# Altium PCB ES_Class6C_2L.PcbDoc (part 2 of 2)
Units mm, origin at the board's own origin, x right, y up, seen from the top; angles counter-clockwise.
Board outline 40.52 x 188.15 mm, 4 copper layers (Top Layer, Layer 1, Layer 2, Bottom Layer), stack 1.536 mm thick; 132 components, 126 nets, 469 pads, 280 vias.
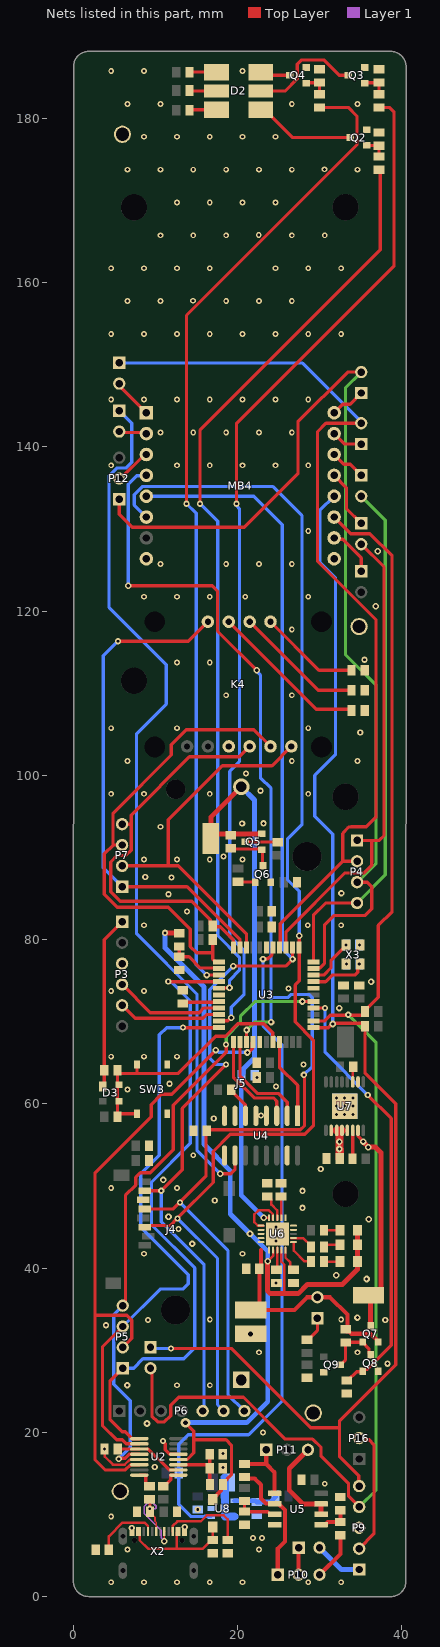
[diagram p4: the nets of this part, all layers, seen from the top]

## Via types
v1: diameter 0.7, hole 0.35, Top Layer to Bottom Layer, 130 vias
v2: diameter 0.75, hole 0.35, Top Layer to Bottom Layer, 99 vias
v3: diameter 0.8, hole 0.4, Top Layer to Bottom Layer, 49 vias
v4: diameter 1.2, hole 0.6, Top Layer to Bottom Layer, 2 vias

## Nets (pads, with @x,y where several pads share a name; then routed paths per layer and width w, separated by ;. In a path a pad name is that pad's centre, name@x,y a point inside that pad or via, vN(x,y) a via of type N, cw(c..) or ccw(c..) an arc to the next point about the centre after c; other vN are vias at no path point) (continued)
D_P: C4.2 R7.1 X2.A6 X2.B6 | length 13.9
  Top Layer w0.2: C4.2@9.334,10.325 9.334,10.175 9.734,9.775 9.83,9.775 9.948,9.658 9.948,9.189 10.115,9.021 10.115,7.955 X2.A6@10.09,7.93 ; v3(11.083,6.737) 11.087,6.741 11.087,7.926 X2.B6@11.09,7.93
  Top Layer w0.381: R7.1@9.282,11.849 9.334,11.797 9.334,10.715 9.326,10.708 C4.2@9.326,10.423 ; v2(9.295,10.708) 9.295,10.364 C4.2@9.334,10.325
  Layer 1 w0.2: v2(9.295,10.708) 9.307,10.72 9.97,10.72 10.089,10.839 10.089,11.005 9.711,11.383 9.015,11.383 8.62,10.987 8.62,10.129 10.703,8.046 10.703,7.154 11.083,6.774 v3(11.083,6.737)
DemulCA: U3.19 U4.1 | length 9.9
  Top Layer w0.4: U3.19@25.095,67.541 25.095,64.45 27.305,62.24 U4.1@27.305,58.55
DemulCB: U3.13 U4.2 | length 12.9
  Top Layer w0.4: U3.13@20.295,67.541 20.295,63.347 22.372,61.27 24.95,61.27 26.035,60.185 U4.2@26.035,58.55
DemulCC: U3.12 U4.3 | length 12.5
  Top Layer w0.4: U3.12@19.495,67.541 19.495,63.246 22.022,60.719 24.371,60.719 24.765,60.325 U4.3@24.765,58.55
DR_N: R8.2 U2.9 | length 2.7
  Top Layer w0.381: R8.2@10.933,13.449 11.083,13.449 11.86,14.226 11.86,14.787 11.869,14.795 U2.9@12.789,14.795
DR_P: R7.2 U2.8 | length 2.4
  Top Layer w0.381: U2.8@8.039,14.795 8.814,14.795 8.822,14.787 8.822,13.759 9.132,13.449 R7.2@9.282,13.449
EN_5V: R49.1 U3.38 U8.1 | length 83.7
  Top Layer w0.4: v3(23.089,77.631) 23.119,77.661 23.673,77.661 24.195,78.183 24.195,78.917 U3.38@24.295,79.017
  Bottom Layer w0.4: U8.1@16.8,9.775 15.971,9.775 15.945,9.749 14.355,9.749 12.839,11.265 12.839,18.561 13.975,19.698 21.339,19.698 25.4,23.759 25.4,67.225 23.089,69.536 v3(23.089,77.631)
GND: C1.2 C2.2 C3.1 C4.1 C5.1 C6.1 C7.2 C8.2 C9.2 C10.2 C11.2 C12.2 C13.1 C14.2 C15.2 C16.2 C17.2 C18.2 C19.2 C20.2 C21.2 C22.2 C23.2 C24.2 GND5.1 GND6.1 GND7.1 GND8.1 J4.6 J5.1 K4.3 MB4.8 MB4.9 P3.3 P9.3 Q2.2 Q3.2 Q4.2 Q6.2 Q8.2 Q9.2 R5.2 R6.2 R10.1 R15.1 R17.1 R19.1 R24.1 R26.1 R27.1 R28.1 R29.1 R32.1 R36.1 R37.1 R38.1 R39.1 R42.1 R47.1 R48.1 SW3.3 SW3.4 U2.5 U2.13 U3.6 U3.16 U3.29 U3.39 U4.4 U4.5 U4.8 U5.4 U6.9 U6.10 U6.11 U6.21 U7.10 U7.11 U8.2 X2.A1B12 X2.B1A12 X3.2 X3.4 | length 10.8
  Top Layer w0.3: U2.5@8.039,16.7 8.02,16.681 6.876,16.681 6.263,16.068 4.807,16.068 3.829,17.046 C2.2@3.829,17.913 ; U7.11@34.006,62.669 34.006,64.448 C22.2@34.074,64.516 ; C2.2@3.829,17.913 v2(3.772,17.97) C2.2@3.829,17.913
  Top Layer w0.4: v2(10.933,18.972) 10.933,18.877 11.19,18.62 11.19,17.865 11.72,17.335 U2.13@12.789,17.335
  other v1: 4.605,1.746 8.605,1.746 12.605,1.746 16.605,1.746 20.605,1.746 28.605,1.746 32.605,1.746 6.605,5.746 22.605,5.746 4.605,9.746 30.605,13.746 12.605,25.746 16.616,25.746 22.605,29.746 34.605,29.746 16.616,33.746 32.605,33.746 8.605,41.746 20.605,41.746 4.605,49.746 12.605,49.746 14.605,53.746 6.605,61.746 4.605,65.746 8.605,65.746 12.605,65.746 4.605,73.746 8.605,73.746 8.605,81.746 28.532,81.746 32.605,81.746 8.605,89.746 12.605,89.746 16.605,89.746 20.605,89.746 10.605,93.746 4.605,97.746 8.605,97.746 16.605,97.746 28.605,97.746 6.605,101.746 26.605,101.746 34.605,101.746 4.605,105.746 12.605,105.746 28.605,105.746 18.605,109.746 26.605,109.746 12.605,113.746 16.605,113.746 26.605,117.746 8.605,121.746 12.605,121.746 16.605,121.746 20.927,121.746 28.605,121.746 10.605,125.746 18.605,125.746 22.605,125.746 26.605,125.746 28.605,129.746 4.605,137.746 12.605,137.746 16.605,137.746 20.605,137.746 24.605,137.746 28.605,137.746 10.605,141.746 14.605,141.746 18.605,141.746 22.605,141.746 26.605,141.746 4.605,145.746 8.605,145.746 12.605,145.746 16.605,145.746 20.605,145.746 24.605,145.746 28.605,145.746 4.605,153.746 8.605,153.746 12.605,153.746 16.605,153.746 20.605,153.746 24.605,153.746 28.605,153.746 32.605,153.746 6.605,157.746 10.605,157.746 18.605,157.746 22.605,157.746 26.605,157.746 14.571,157.78 4.605,161.746 8.605,161.746 12.605,161.746 16.605,161.746 24.605,161.746 28.605,161.746 32.605,161.746 10.605,165.746 14.605,165.746 18.605,165.746 26.605,165.746 30.605,165.746 22.571,165.78 12.605,169.746 16.605,169.746 20.605,169.746 24.605,169.746 6.605,173.746 10.605,173.746 14.605,173.746 18.605,173.746 22.605,173.746 26.605,173.746 34.605,173.746 30.571,173.78 8.605,177.746 12.605,177.746 16.605,177.746 20.605,177.746 24.605,177.746 6.605,181.746 10.605,181.746 26.605,181.746 34.605,181.746 4.605,185.746 8.605,185.746 20.605,185.746
  other v2: 21.893,7.125 22.972,7.125 7.114,8.349 13.566,8.487 15.15,10.6 18.199,15.721 9.904,15.788 18.199,17.436 23.075,19.975 6.568,25.746 38.25,28.365 3.983,33.046 9.071,33.67 37.976,33.675 24.674,38.2 14.475,42.975 24.674,43.325 24.674,44.175 12.805,44.751 24.674,45.013 27.889,47.343 17.21,48.252 27.897,49.413 30.124,52.063 17.095,58.2 22.85,58.575 32.031,58.719 33.031,58.719 34.031,58.719 32.031,59.719 33.031,59.719 34.031,59.719 32.031,60.719 33.031,60.719 34.031,60.719 24.674,62.096 11.701,62.442 22.339,63.217 28.002,64.801 26.177,74.04 13.833,83.439 11.594,85.528 32.627,85.638 11.945,87.548 8.748,87.625 18.301,90.098 20.557,94.141 23.151,94.157 22.783,98.121 21.036,100.237 34.925,105.225 35.445,114.075
  other v3: 8.964,21.08 34.586,33.978 35.7,38.677 31.996,39.118 35.955,45.945 11.582,46.246 10.95,50.742 32.375,71.665 36.248,74.879 33.261,77.025 34.842,79.333 36.836,120.592 37.052,127.285
INT_IMU: K4.7 P7.1 U3.43 | length 61.7
  Top Layer w0.4: v2(5.425,116.325) 14.008,116.325 K4.7@16.385,118.702 ; P7.1@5.937,86.435 13.839,86.435 20.295,79.979 U3.43@20.295,79.017 U3.43@20.195,79.117
  Bottom Layer w0.4: v2(5.425,116.325) 3.649,114.549 3.649,88.723 P7.1@5.937,86.435
LED_B: R14.2 U3.5 | length 112.5
  Top Layer w0.4: v2(15.425,133.075) 15.425,142.05 37.361,163.986 37.361,173.596 R14.2@37.211,173.746 ; U3.5@17.757,74.079 17.792,74.114 18.973,74.114 v3(19.008,74.15)
  Bottom Layer w0.4: v2(15.425,133.075) 17.575,130.925 17.575,80.498 20.226,77.847 20.226,76.281 19.015,75.069 19.015,74.156 v3(19.008,74.15)
LED_G: R16.2 U3.10 | length 123.9
  Top Layer w0.4: U3.10@17.757,70.079 17.807,70.129 18.823,70.129 19.171,70.478 v3(19.215,70.478) ; v2(19.875,133.075) 19.875,142.875 39.05,162.05 39.05,180.725 38.457,181.318 R16.2@37.211,181.318
  Bottom Layer w0.4: v3(19.215,70.478) 19.227,70.49 19.227,71.77 20.783,73.326 20.783,78.642 19.027,80.398 19.027,100.477 20.226,101.676 20.226,132.477 19.942,132.761 19.942,133.008 v2(19.875,133.075)
LED_R: R18.2 U3.3 | length 120.7
  Top Layer w0.4: v2(13.775,133.075) 13.775,155.993 34.536,176.754 34.536,180.263 33.481,181.318 R18.2@29.972,181.318 ; v3(16.229,75.679) U3.3@17.757,75.679
  Bottom Layer w0.4: v2(13.775,133.075) 14.956,131.894 14.956,103.617 14.958,103.615 14.958,103.064 14.956,103.062 14.956,76.952 v3(16.229,75.679)
MCLR: D3.1 P3.1 R21.1 | length 21
  Top Layer w0.4: D3.1@3.556,62.125 3.772,62.341 3.772,64.008 3.772,79.991 P3.1@5.937,82.156
MISO: J4.7 MB4.5 P6.5 U3.35 | length 144.8
  Top Layer w0.4: J4.7@8.709,49.401 8.721,49.413 10.688,49.413 v2(10.7,49.425) 13.245,51.97 13.245,59.446 v2(18.6,64.801) ; v3(19.475,76.775) 25.839,76.775 v3(26.695,77.631) U3.35@26.695,79.017
  Bottom Layer w0.4: MB4.5@8.89,133.985 21.99,133.985 25.443,130.532 25.443,116.803 25.432,116.793 25.432,78.895 v3(26.695,77.631) ; v2(10.7,49.425) 10.7,45.65 15.915,40.435 15.915,22.773 P6.5@15.748,22.606 ; v2(18.6,64.801) 18.599,64.802 17.348,64.802 16.593,65.557 16.593,73.893 v3(19.475,76.775)
MOSI: J4.3 MB4.6 P6.6 U3.34 | length 156
  Top Layer w0.4: J4.3@8.709,45.001 8.887,45.179 11.779,45.179 12.662,46.063 17.025,50.425 17.025,54.2 19.119,56.294 28.183,56.294 29.233,57.344 29.233,67.745 27.002,69.976 27.002,74.482 27.495,74.975 U3.34@27.495,79.017 27.497,79.019 27.497,80.472 v3(27.5,80.475)
  Bottom Layer w0.4: MB4.6@8.89,131.445 7.425,132.91 7.425,134.184 8.403,135.162 24.313,135.162 27.831,131.644 27.831,93.993 26.07,92.233 26.07,87.318 27.5,85.889 v3(27.5,80.475) ; v2(12.675,46.05) 17.55,41.175 17.55,23.39 18.288,22.652 P6.6@18.288,22.606
NetC2_1: C2.1 U2.3 U2.10 | length 7.5
  Top Layer w0.4: C2.1@5.405,17.97 U2.3@8.039,17.97 ; U2.3@8.964,17.97 9.108,17.97 11.648,15.43 U2.10@12.789,15.43
NetC3_2: C3.2 L2.2 X2.A4B9 X2.B4A9 | length 14.6
  Top Layer w0.3: X2.A4B9@7.94,7.93 8.09,7.78 8.09,6.859 9.107,5.842 12.604,5.842 ; X2.B4A9@12.74,7.93 12.604,7.794 12.604,5.842 ; L2.2@16.98,8.485 C3.2@16.98,6.896 16.83,6.896 15.776,5.842 12.731,5.842 12.604,5.842
NetC6_2: C6.2 R9.1 R10.2 U2.11 | length 7.9
  Top Layer w0.4: U2.11@12.789,16.066 16.299,16.066 16.599,15.765 R10.2@16.599,15.621 ; C6.2@16.599,17.485 C6.2@16.599,17.335 16.618,17.316 16.618,13.671 R9.1@16.637,13.652
NetC13_2: C13.2 U3.7 | length 4.5
  Top Layer w0.4: C13.2@13.335,72.225 13.489,72.379 17.657,72.379 U3.7@17.757,72.479
NetC24_1: C24.1 R50.2 U8.4 | length 5.4
  Bottom Layer w0.6: U8.4@19.6,11.675 22.186,11.675 C24.1@22.325,11.536 24.036,11.536 24.6,12.1 R50.2@24.6,12.25
NetD2_1: D2.1 R13.1 | length 3.3
  Top Layer w0.4: R13.1@14.135,185.624 D2.1@17.427,185.624
NetD2_2: D2.2 R12.1 | length 3.3
  Top Layer w0.4: R12.1@14.135,183.388 14.199,183.324 D2.2@17.427,183.324
NetD2_3: D2.3 R11.1 | length 3.3
  Top Layer w0.4: R11.1@14.135,180.975 14.184,181.024 D2.3@17.427,181.024
NetD2_4: D2.4 Q2.3 | length 12.3
  Top Layer w0.4: D2.4@22.827,181.024 23.327,181.024 26.693,177.658 Q2.3@33.735,177.658
NetD2_5: D2.5 Q3.3 | length 14
  Top Layer w0.4: D2.5@22.827,183.324 25.809,183.324 27.275,184.79 27.275,186.569 27.806,187.1 30.484,187.1 32.354,185.23 Q3.3@33.481,185.23
NetD2_6: D2.6 Q4.3 | length 3.7
  Top Layer w0.4: D2.6@22.827,185.624 23.221,185.23 Q4.3@26.369,185.23
NetD5_1: D5.1 R33.2 | length 2
  Top Layer w0.3: R33.2@30.518,44.61 D5.1@32.478,44.61
NetD6_1: D6.1 R34.2 | length 2.1
  Top Layer w0.3: R34.2@30.518,42.578 30.772,42.832 D6.1@32.478,42.832
NetD7_1: D7.1 R35.1 | length 2
  Top Layer w0.3: R35.1@30.518,40.8 D7.1@32.478,40.8
NetK4_8: K4.8 R29.2 | length 19.4
  Top Layer w0.4: K4.8@18.925,118.702 29.582,108.045 33.725,108.045 R29.2@33.875,107.895
NetK4_9: K4.9 R28.2 | length 15.9
  Top Layer w0.4: K4.9@21.465,118.702 29.82,110.347 R28.2@33.875,110.347
NetK4_10: K4.10 R27.2 | length 12.3
  Top Layer w0.4: K4.10@24.005,118.702 29.907,112.8 R27.2@33.875,112.8
NetL5_2: L5.2 U8.5 | length 5.7
  Bottom Layer w1: L5.2@18.426,14.5 18.432,13.894 18.475,9.95 ; 18.475,9.775 U8.5@19.6,9.775
NetMB4_1: MB4.1 W5.2 | length 4.9
  Top Layer w0.4: W5.2@5.588,147.701 5.588,147.447 MB4.1@8.89,144.145
NetMB4_2: MB4.2 W7.2 | length 3.4
  Top Layer w0.4: W7.2@5.588,141.859 5.715,141.732 8.763,141.732 MB4.2@8.89,141.605
NetMB4_3: MB4.3 P12.2 | length 4.5
  Top Layer w0.4: P12.2@5.588,136.144 5.779,136.144 8.7,139.065 MB4.3@8.89,139.065
NetMB4_10: MB4.10 W11.1 | length 5.9
  Top Layer w0.4: MB4.10@31.75,128.905 31.923,128.732 32.793,128.732 35.052,126.473 W11.1@35.052,124.841
NetMB4_13: MB4.13 W10.1 | length 7.2
  Top Layer w0.4: MB4.13@31.75,136.525 33.246,135.029 33.246,132.489 W10.1@35.052,130.683
NetMB4_14: MB4.14 W9.1 | length 4.4
  Top Layer w0.4: MB4.14@31.75,139.065 32.949,137.866 33.711,137.866 W9.1@35.052,136.525
NetMB4_15: MB4.15 W8.1 | length 3.8
  Top Layer w0.4: MB4.15@31.75,141.605 33.02,140.335 W8.1@35.052,140.335
NetMB4_16: MB4.16 W6.1 | length 4.3
  Top Layer w0.4: MB4.16@31.75,144.145 32.801,145.196 33.69,145.196 W6.1@35.052,146.558
NetMB5_1: 
NetMB5_2: 
NetMB5_3: 
NetMB5_10: 
NetMB5_13: 
NetMB5_14: 
NetMB5_15: 
NetMB5_16: 
NetMB6_1: 
NetMB6_2: 
NetMB6_3: 
NetMB6_10: 
NetMB6_13: 
NetMB6_14: 
NetMB6_15: 
NetMB6_16: 
NetP9_1: P9.1 W4.2 | length 5.9
  Bottom Layer w0.6: W4.2@29.972,5.969 32.639,3.302 P9.1@34.798,3.302
NetP9_2: P9.2 P16.2 | length 15.5
  Top Layer w0.4: P9.2@34.798,5.842 36.594,7.638 36.594,18.522 36.023,19.094 35.008,19.094 P16.2@34.798,19.304
NetP10_1: P10.1 R30.1 U5.2 | length 15.8
  Top Layer w0.5: R30.1@20.828,14.567 21.028,14.367 22.082,14.367 22.825,13.624 22.825,11.973 23.47,11.328 24.486,11.328 U5.2@24.511,11.303 25.011,11.303 25.787,10.527 25.787,6.737 24.892,5.842 P10.1@24.892,2.667
NetP10_3: P10.3 R25.2 | length 5.9
  Top Layer w0.5: P10.3@29.972,2.667 32.512,5.207 R25.2@32.512,7.48
NetP11_1: P11.1 R30.2 U5.1 | length 8.4
  Top Layer w0.5: R30.2@20.828,16.167 23.485,16.167 ; P11.1@23.485,17.875 23.485,16.167 ; U5.1@24.511,12.573 24.511,15.141 23.485,16.167
NetP11_3: P11.3 U5.6 U5.7 | length 11.7
  Top Layer w0.6: P11.3@28.565,17.875 26.289,15.599 26.289,12.96 27.946,11.303 U5.7@30.161,11.303 U5.6@30.161,10.033
NetP15_1: P15.1 R46.2 | length 3.2
  Top Layer w0.4: R46.2@28.448,31.28 28.598,31.28 29.718,32.4 P15.1@29.718,33.909
NetQ2_1: Q2.1 R14.1 R15.2 | length 2.8
  Top Layer w0.4: Q2.1@35.735,176.708 35.756,176.688 37.19,176.688 R15.2@37.211,176.667 R14.1@37.211,175.346
NetQ3_1: Q3.1 R16.1 R17.2 | length 3.2
  Top Layer w0.4: Q3.1@35.481,184.28 35.524,184.323 37.168,184.323 R17.2@37.211,184.366 R16.1@37.211,182.918
NetQ4_1: Q4.1 R18.1 R19.2 | length 3.1
  Top Layer w0.4: Q4.1@28.369,184.28 28.412,184.323 29.929,184.323 R19.2@29.972,184.366 R18.1@29.972,182.918
NetQ5_1: Q5.1 Q6.3 R40.1 | length 5.9
  Top Layer w0.4: R40.1@19.152,91.112 19.227,91.037 22.871,91.037 Q5.1@22.946,90.962 23.018,90.891 23.018,89.047 Q6.3@23.089,88.975
NetQ5_3: Q5.3 R41.2 | length 4
  Top Layer w0.4: Q5.3@20.946,91.912 20.973,91.886 24.866,91.886 R41.2@24.892,91.859
NetQ6_1: Q6.1 R43.2 | length 2.1
  Top Layer w0.4: R43.2@20.041,87.048 20.078,87.011 22.103,87.011 Q6.1@22.139,86.975
NetQ7_1: Q7.1 Q8.3 Q9.3 R45.1 | length 7.1
  Top Layer w0.4: Q9.3@32.48,28.255 32.53,28.255 33.147,28.872 R45.1@33.147,30.95 33.174,30.977 35.218,30.977 Q7.1@35.245,31.004 35.245,30.954 35.995,30.204 35.995,29.648 Q8.3@36.195,29.448
NetR5_1: R5.1 X2.A5 | length 7.9
  Top Layer w0.3: R5.1@4.318,5.715 4.318,7.346 5.997,9.025 8.646,9.025 9.09,8.581 X2.A5@9.09,7.93
NetR6_1: R6.1 X2.B5 | length 10.6
  Top Layer w0.3: X2.B5@12.09,7.93 12.09,8.581 12.672,9.163 15.513,9.163 16.256,9.906 18.288,9.906 18.796,9.398 R6.1@18.796,6.896
NetR22_1: R22.1 U4.6 | length 3.9
  Top Layer w0.4: R22.1@19.215,61.722 19.215,61.572 19.515,61.272 19.547,61.272 20.912,59.907 20.912,58.593 U4.6@20.955,58.55
NetR25_1: R25.1 R26.2 U5.5 | length 3.9
  Top Layer w0.5: U5.5@30.161,8.763 30.661,8.763 30.978,9.08 R25.1@32.512,9.08 R26.2@32.512,10.528
NetR31_1: R31.1 R32.2 U5.3 | length 5.1
  Top Layer w0.4: R31.1@20.828,11.646 R32.2@20.828,10.35 23.694,10.35 24.011,10.033 U5.3@24.511,10.033
NetR34_1: R34.1 U6.7 | length 2.9
  Top Layer w0.3: U6.7@26.53,43.665 U6.7@26.799,43.665 27.981,43.665 28.918,42.728 R34.1@28.918,42.578
NetR35_2: R35.2 U6.6 | length 3.6
  Top Layer w0.3: U6.6@26.834,43.134 26.834,42.133 28.144,40.823 28.894,40.823 R35.2@28.918,40.8
NetR36_2: R36.2 U6.5 | length 3.3
  Top Layer w0.3: U6.5@25.829,42.456 U6.5@25.829,42.195 25.829,41.26 26.416,40.673 R36.2@26.416,39.441
NetR37_2: R37.2 U6.12 | length 2.9
  Top Layer w0.3: R37.2@25.273,48.73 25.329,48.674 U6.12@25.329,46.135 U6.12@25.329,45.871
NetR38_2: R38.2 U6.13 | length 3.4
  Top Layer w0.3: R38.2@23.622,48.73 23.772,48.73 24.122,48.38 24.122,47.743 24.829,47.036 U6.13@24.829,46.135 U6.13@24.829,45.871
NetR39_2: R39.2 U6.3 | length 3
  Top Layer w0.3: R39.2@24.765,39.441 24.829,39.505 U6.3@24.829,42.195 U6.3@24.829,42.456
NetR44_2: R44.2 U7.6 | length 3.3
  Top Layer w0.4: R44.2@33.998,53.467 34.002,53.471 34.002,56.765 U7.6@34.006,56.769
NetU6_14: U6.14 U6.16 | length 5.5
  Top Layer w0.3: U6.16@23.117,45.165 U6.16@22.859,45.165 22.471,45.165 22.052,45.583 22.052,46.563 22.526,47.036 23.817,47.036 24.299,46.555 U6.14@24.299,45.871
OSC1: C14.1 U3.30 X3.3 | length 7
  Top Layer w0.4: U3.30@29.233,74.879 30.704,74.879 31.504,75.679 34.279,75.679 34.624,76.024 34.624,76.708 X3.3@34.949,77.033
  other v3: 34.8,77.025
OSC2: C15.1 U3.31 X3.1 | length 6
  Top Layer w0.4: U3.31@29.233,75.679 30.495,75.679 31.358,76.542 31.358,77.431 32.925,78.999 32.925,79.059 v3(33.199,79.333)
PGEC2: P3.5 U3.9 | length 12.7
  Top Layer w0.4: P3.5@5.937,71.996 7.508,70.425 15.775,70.425 16.229,70.879 U3.9@17.757,70.879
PGED2: P3.4 U3.8 | length 13.5
  Top Layer w0.4: P3.4@5.937,74.536 9.376,71.097 15.322,71.097 15.904,71.679 U3.8@17.757,71.679
PressRawData: P10.2 W4.1 | length 3.3
  Top Layer w0.5: P10.2@27.432,2.667 W4.1@27.432,5.969
PwrHold: Q8.1 R48.2 U3.26 | length 53.1
  Top Layer w0.4: U3.26@29.233,71.679 29.235,71.677 30.648,71.677 v2(30.65,71.675) ; R48.2@33.274,26.327 33.424,26.327 34.479,27.382 35.179,27.382 Q8.1@35.245,27.448 35.245,27.498 35.445,27.698 35.791,27.698 36.369,28.275 38.702,30.609 38.702,58.223 v2(35.85,61.075)
  Bottom Layer w0.4: v2(30.65,71.675) 30.65,66.275 v2(35.85,61.075)
RA8: P4.3 P12.1 U3.32 W6.2 | length 126.4
  Top Layer w0.4: P12.1@5.588,133.604 5.588,131.787 7.175,130.2 20.825,130.2 27.35,136.725 27.35,143.05 33.398,149.098 W6.2@35.052,149.098 ; U3.32@29.233,76.479 29.333,76.579 30.067,76.579 30.571,77.083 30.571,81.764 31.731,82.924 35.505,82.924 36.335,83.754 36.335,86.433 35.773,86.995 P4.3@34.544,86.995
  Layer 2 w0.4: P4.3@34.544,86.995 36.861,89.312 36.861,110.955 33.135,114.681 33.135,147.181 W6.2@35.052,149.098
RB2: MB4.12 P8.1 P9.5 R2.1 U3.23 | length 162.8
  Top Layer w0.4: v2(11.869,30.204) 19.271,30.204 28.904,20.571 32.4,20.571 ; U3.23@29.233,69.279 31.019,69.279 31.467,69.726 v3(31.575,69.726) 31.65,69.801 35.222,69.801 35.522,69.501 35.522,63.743 39.253,60.012 39.253,28.21 34.516,23.473 32.4,21.357 32.4,20.571 ; P9.5@34.798,13.462 34.754,13.506 34.754,14.721 32.4,17.075 32.4,20.571
  Bottom Layer w0.4: P8.1@9.398,30.353 9.547,30.204 v2(11.869,30.204) ; v3(31.575,69.726) 31.575,92.825 29.409,94.991 29.409,99.984 31.906,102.481 31.906,124.069 30.025,125.95 30.025,132.26 MB4.12@31.75,133.985
RB3: MB4.11 P8.2 P9.4 R1.1 U3.24 | length 175.4
  Top Layer w0.4: P8.2@9.398,27.813 9.575,27.636 9.575,23.07 9.567,23.062 9.567,21.975 10.271,21.271 11.094,21.271 11.842,22.02 11.842,23.287 12.83,24.275 20.716,24.275 25.799,19.192 29.13,19.192 30.162,18.16 30.162,17.109 33.513,13.758 33.513,12.207 P9.4@34.798,10.922 ; U3.24@29.233,70.079 30.571,70.079 31.288,70.797 35.222,70.797 35.522,71.097 R1.1@35.522,71.247 35.522,71.397 37.122,72.997 37.122,81.719 38.8,83.397 38.8,126.739 36.113,129.427 33.768,129.427 MB4.11@31.75,131.445
  Layer 2 w0.4: v2(33.475,70.85) 36.861,67.464 36.861,12.985 P9.4@34.798,10.922
RB4: P4.4 U3.33 W9.2 | length 64.1
  Top Layer w0.4: U3.33@29.233,77.279 29.233,82.955 30.733,84.455 P4.4@34.544,84.455
  Layer 2 w0.4: P4.4@34.544,84.455 37.975,87.886 37.975,131.062 W9.2@35.052,133.985
  Bottom Layer w0.4: P4.4@34.544,84.455 P4.4@34.842,84.455
RB6: K4.6 P7.2 U3.42 | length 44.5
  Top Layer w0.4: P7.2@5.937,88.975 11.559,88.975 ; U3.42@21.095,79.017 21.095,80.648 12.768,88.975 11.559,88.975 ; K4.6@26.545,103.525 24.195,101.175 18.15,101.175 11.559,94.584 11.559,88.975
RB8: K4.4 P7.4 R3.1 U3.44 | length 49
  Top Layer w0.4: P7.4@6.147,93.845 P7.4@5.937,94.055 7.038,94.055 ; U3.44@19.426,79.086 U3.44@19.495,79.017 19.495,79.477 19.475,79.497 19.495,79.517 19.495,79.964 17.901,81.558 16.967,81.558 16.667,81.858 16.667,82.421 14.433,84.654 5.721,84.654 4.55,85.826 4.55,89.45 5.345,90.245 6.399,90.245 7.038,90.884 7.038,94.055 ; K4.4@21.465,103.525 20.19,102.25 14.132,102.25 7.038,95.156 7.038,94.055
RB9: K4.5 P7.3 R4.1 U3.1 | length 57.1
  Top Layer w0.4: P7.3@5.937,91.515 4.836,91.515 ; R4.1@16.967,80.01 16.967,78.39 ; U3.1@17.757,77.279 17.319,77.279 16.967,77.631 16.967,78.39 ; K4.5@24.005,103.525 21.98,105.55 13.742,105.55 11.925,103.733 11.925,102.475 4.836,95.386 4.836,91.515 ; 4.836,91.515 3.772,90.451 3.772,85.528 5.35,83.95 11.559,83.95 14.25,81.259 14.25,79.15 15.01,78.39 16.967,78.39
RB13: P5.3 U2.2 U3.11 | length 69.9
  Top Layer w0.4: P5.3@6.011,32.893 3.55,30.432 3.55,20.808 5.264,19.094 5.947,19.094 6.435,18.605 U2.2@8.039,18.605 ; v2(13.35,69.279) U3.11@17.757,69.279
  Bottom Layer w0.4: P5.3@6.011,32.893 10.568,37.45 13.327,37.45 13.975,38.098 13.975,39.2 8.222,44.953 8.222,51.472 10.475,53.725 10.475,68.4 11.354,69.279 v2(13.35,69.279)
RB14: C1.1 J4.5 MB4.4 P6.7 U3.14 | length 163.3
  Top Layer w0.4: v3(6.7,123.075) 16.9,123.075 17.55,122.425 17.55,117.566 v3(22.316,112.8) ; J4.5@8.709,47.201 12.176,47.201 v2(12.975,48) 16.146,51.171 16.146,56.264 16.258,56.376 16.422,56.376 16.422,56.733 16.534,56.845 27.644,56.845 28.144,57.344 28.144,63.456 v3(28.075,63.525) ; U3.14@21.095,67.541 v3(21.095,68.994) ; v3(24.077,69.958) 24.153,69.881 v3@24.289,69.881
  Layer 2 w0.4: v3(21.095,68.994) 22.059,69.958 v3(24.077,69.958)
  Bottom Layer w0.4: v3(6.7,123.075) 6.7,135.469 7.715,136.484 8.849,136.484 MB4.4@8.89,136.525 ; v2(12.975,48) 18.825,42.15 18.825,24.609 P6.7@20.828,22.606 ; v3@21.018,68.918 v3(21.095,68.994) ; v3(22.316,112.8) 22.316,112.692 22.783,112.225 22.783,99.697 24.077,98.404 24.077,72.962 ; v3(24.077,69.958) 24.077,72.962 ; v3(28.075,63.525) 29.097,64.547 29.097,72.92 28.691,73.326 26.541,73.326 26.177,72.962 24.077,72.962
RB15: P5.2 U2.6 U3.15 | length 77
  Top Layer w0.4: P5.2@6.011,30.353 7.112,31.454 7.112,33.666 6.51,34.268 2.647,34.268 ; U2.6@8.039,16.066 6.969,16.066 6.334,15.43 3.854,15.43 2.647,16.637 2.647,34.268 ; v3(17.344,66.55) 17.344,66.534 11.99,61.18 10.729,61.18 9.468,59.919 9.468,58.443 2.647,51.622 2.647,34.268 ; v3(21.199,66.252) 21.276,66.329 21.417,66.329 21.795,66.707 21.795,67.441 U3.15@21.895,67.541
  Bottom Layer w0.4: v3(17.344,66.55) 17.452,66.55 17.711,66.291 21.161,66.291 v3(21.199,66.252)
RC2: P5.4 U2.4 U3.27 | length 74.8
  Top Layer w0.4: v3(5.527,16.769) 5.604,16.846 6.332,16.846 6.822,17.335 U2.4@8.039,17.335 ; P5.4@6.011,35.433 6.011,35.731 6.348,36.067 6.348,48.847 7.608,50.108 7.608,51.046 8.17,51.609 9.346,51.609 12.148,54.411 12.148,59.823 18.6,66.275 v2(18.6,67.225) ; v3(27.889,72.465) 27.897,72.472 29.226,72.472 U3.27@29.233,72.479
  Layer 2 w0.4: v2(18.6,67.225) 18.6,68.175 20.344,69.919 20.344,70.644 22.165,72.465 v3(27.889,72.465)
  Bottom Layer w0.4: v3(5.527,16.769) 6.925,18.167 6.925,23.85 4.91,25.865 4.91,34.332 P5.4@6.011,35.433
RC3: P4.1 U3.36 W10.2 | length 58.9
  Top Layer w0.4: U3.36@25.895,79.017 25.895,80.98 33.015,88.1 35.377,88.1 36.335,89.058 36.335,92.075 ; P4.1@34.544,92.075 35.645,92.075 36.335,92.075 ; W10.2@35.052,128.143 37.825,125.37 37.825,92.662 37.238,92.075 36.335,92.075
RC4: P4.2 U3.37 W5.1 W8.2 | length 112
  Top Layer w0.4: U3.37@25.095,79.017 25.195,79.117 25.195,81.946 32.784,89.535 ; P4.2@34.544,89.535 32.784,89.535 ; W8.2@35.052,142.875 30.75,142.875 29.725,141.85 29.725,126.05 36.861,118.914 36.861,94.957 35.645,93.741 33.818,93.741 33.634,93.717 33.5,93.699 33.394,93.594 32.885,93.013 ccw(c33.184,92.748) 32.883,93.011 32.784,92.898 32.784,89.535
  Bottom Layer w0.4: W5.1@5.588,150.241 5.63,150.199 27.909,150.199 35.052,143.056 W8.2@35.052,142.875
RC6: R23.1 R24.2 U3.2 | length 6.7
  Top Layer w0.4: R23.1@12.877,79.172 R24.2@12.877,77.915 13.377,77.915 14.089,77.915 15.472,76.532 17.704,76.532 U3.2@17.757,76.479
RC8: P5.1 U2.1 U3.4 | length 77.5
  Top Layer w0.4: P5.1@6.011,27.813 4.45,26.252 4.45,21.592 5.967,20.075 6.307,20.075 7.114,19.268 7.114,19.241 U2.1@8.039,19.241 ; v2(11.559,74.879) U3.4@17.757,74.879
  Bottom Layer w0.4: P5.1@6.011,27.813 7.338,27.813 8.475,28.95 13.442,28.95 14.775,30.283 14.775,40.025 9.517,45.283 9.517,50.467 14.25,55.2 14.25,72.525 11.893,74.882 11.562,74.882 v2(11.559,74.879)
Reset: D3.3 D3.4 R20.2 R21.2 SW3.1 SW3.2 U3.18 | length 32.5
  Top Layer w0.4: R20.2@5.372,58.42 R20.2@5.372,58.501 ; D3.3@5.372,60.325 R20.2@5.372,58.501 ; R21.2@5.372,64 5.672,63.7 7.747,63.7 ; R21.2@5.372,64.008 5.372,62.509 D3.4@5.556,62.325 5.372,62.141 5.372,60.509 D3.3@5.556,60.325 ; SW3.1@7.747,58.801 5.672,58.801 R20.2@5.372,58.501 ; SW3.2@7.747,64.801 7.747,63.7 ; U3.18@24.295,67.541 24.267,67.569 24.267,68.661 23.183,69.745 20.031,69.745 18.526,68.241 17.336,68.241 12.795,63.7 7.747,63.7
RSTM1: U4.10 W7.1 | length 107.6
  Top Layer w0.4: v3(17.9,51.5) 19.169,51.5 19.685,52.016 U4.10@19.685,53.718
  Bottom Layer w0.4: W7.1@5.588,144.399 7.1,142.887 7.1,138.125 6.389,137.414 5.301,137.414 4.35,136.463 4.35,120.425 11.325,113.45 11.325,108.681 7.7,105.057 7.7,80.725 15.05,73.375 15.05,54.35 v3(17.9,51.5)
RSTM2: U4.9
RSTM3: U4.7
VBAT: C20.1 J5.2 Q5.2 R40.2 U6.15 Vbat5.1 | length 69.8
  Top Layer w0.3: v3(23.188,46.124) 23.194,46.129 U6.15@23.799,46.129
  Top Layer w0.6: Vbat5.1@16.739,92.293 Vbat5.1@16.75,92.304 ; J5.2@20.446,98.608 16.75,94.912 Vbat5.1@16.75,92.304 ; Q5.2@22.946,92.862 17.308,92.862 Vbat5.1@16.75,92.304
  Bottom Layer w0.6: C20.1@20.446,63.5 20.446,48.866 v3(23.188,46.124) ; J5.2@20.446,98.608 22.05,97.004 22.05,65.624 20.675,64.249 20.675,63.7 C20.1@20.475,63.5
VBO: C19.1 P15.2 Q7.2 R45.2 U6.1 U6.20 V_regOUT5.1 | length 27.5
  Top Layer w0.5: V_regOUT5.1@21.59,34.898 V_regOUT5.1@21.879,34.898 ; 22.864,42.2 22.864,40.131 C19.1@22.644,39.911 22.644,35.663 V_regOUT5.1@21.879,34.898 ; R45.2@33.147,32.55 33.356,32.759 33.356,34.363 31.27,36.449 28.471,36.449 26.92,34.898 V_regOUT5.1@21.879,34.898 ; R45.2@33.155,32.4 33.255,32.3 33.547,32.3 33.843,32.004 36.195,32.004 37.145,31.054 Q7.2@37.145,31.004
VBOI: C21.1 Q7.3 U7.2 U7.3 U7.4 U7.5 U7.7 V_btnON5.1 | length 30.3
  Top Layer w0.4: U7.7@34.656,56.769 34.666,56.759 34.666,56.046 v3(35.306,55.405) v3@35.306,55.362 ; v3(35.9,54.725) v3@35.9,54.768
  Top Layer w0.6: v3@35.306,55.362 v3@35.9,54.768 ; v3(35.9,54.725) 36.787,54.725 37.435,54.077 37.435,37.418 36.72,36.703 V_btnON5.1@35.941,36.703 ; Q7.3@36.195,33.004 V_btnON5.1@36.195,36.449
  Top Layer w1: U7.3@32.056,56.769 U7.4@32.706,56.769 ; C21.1@32.423,53.34 32.423,54.477 v3(32.4,54.5) 32.4,56.691 32.423,56.714
  other v3: 32.4,55.4
VBUS: D5.2 D6.2 D7.2 L2.1 R9.2 R23.2 U2.12 U6.2 U6.4 U6.17 U6.18 U6.19 V_regIN5.1 | length 123.5
  Top Layer w0.3: v3(23.665,40.823) 24.329,41.487 U6.2@24.329,42.195 ; U6.4@25.329,42.195 25.329,40.772 25.676,40.425 25.676,36.911 25.654,36.89
  Top Layer w0.4: U2.12@12.789,16.7 13.858,16.7 14.66,17.502 14.66,19.094 ; v4(13.652,21.172) 14.66,20.164 14.66,19.094 ; R9.2@18.237,13.652 18.237,13.802 19.25,14.815 19.25,18.434 18.591,19.094 14.66,19.094
  Top Layer w0.5: L2.1@16.687,12.128 L2.1@16.98,11.835 ; L2.1@16.98,11.91 17.987,12.917 17.987,13.402 R9.2@18.237,13.652
  Top Layer w0.6: v2(11.175,80.825) 11.201,80.798 12.851,80.798 R23.2@12.877,80.772 ; v3(23.665,40.823) 23.627,40.785 23.627,40.49 23.622,40.485 23.622,37.241 23.973,36.89 25.654,36.89 27.38,36.89 28.515,38.024 32.774,38.024 34.575,39.825 D7.2@34.575,40.375 ; D7.2@34.578,40.8 D6.2@34.578,42.832 D5.2@34.578,44.61
  Bottom Layer w0.6: v2(11.175,80.825) 11.175,78.971 15.9,74.246 15.9,55.079 19.102,51.877 19.102,46.597 23.665,42.033 23.665,32.004 ; v4(13.652,21.172) 13.67,21.19 21.111,21.19 23.665,23.745 23.665,32.004 ; v4(21.59,32.004) 23.665,32.004
  other v3: 21.511,44.187
Y0: U4.15
pads on no net: J4.1 J4.8 J4.9 J4.10 J5. K4.1 K4.M P3.6 U2.7 U2.14 U2.15 U2.16 U7.1 U7.8 U7.9 U7.16 X2. X2.A8 X2.B8 X2.S1 X2.S2 X2.S3 X2.S4

## Polygon pours and split planes (outlines as drawn)
GND on Bottom Layer "GND_L04_P008" (solid, remove dead copper, pour order 8): 0,0 0,188.15 40.525,188.15 40.525,0
+3V3 on Layer 1 "+3V3_L02_P000" (solid, remove dead copper, pour order 0): 0,0 0,188.15 40.525,188.15 40.525,0
GND on Layer 2 "GND_L03_P006" (solid, remove dead copper, pour order 6): 0,0 0,188.15 40.525,188.15 40.525,0
GND on Top Layer "GND_L01_P005" (solid, remove dead copper, pour order 5): 0,0 0,188.15 40.525,188.15 40.525,0

## Keep-outs
Bottom Layer:
  rectangle: 36.513,0.127 40.513,188.214
  rectangle: 0,0.127 4,188.214
Keep-Out Layer:
  region: 33.135,45.647 cw(c33.135,49.022) 29.76,49.022 cw(c33.135,49.022) 33.135,52.397 cw(c33.135,49.022) 36.51,49.022 cw(c33.135,49.022)
  region: 7.375,165.789 cw(c7.375,169.164) 4,169.164 cw(c7.375,169.164) 7.375,172.539 cw(c7.375,169.164) 10.75,169.164 cw(c7.375,169.164)
  region: 33.135,165.789 cw(c33.135,169.164) 29.76,169.164 cw(c33.135,169.164) 33.135,172.539 cw(c33.135,169.164) 36.51,169.164 cw(c33.135,169.164)
  region: 33.135,94.034 cw(c33.135,97.409) 29.76,97.409 cw(c33.135,97.409) 33.135,100.784 cw(c33.135,97.409) 36.51,97.409 cw(c33.135,97.409)
  region: 7.375,108.131 cw(c7.375,111.506) 4,111.506 cw(c7.375,111.506) 7.375,114.881 cw(c7.375,111.506) 10.75,111.506 cw(c7.375,111.506)

## Other copper
Top Layer:
  rectangle net +3V3: 36.625,68.812 38.702,71.914
  rectangle net D_P: 8.822,9.679 9.83,11.167
  rectangle net D_N: 10.515,9.679 11.727,11.114
  rectangle net GND: 22.216,57.344 23.495,59.759
  rectangle net GND: 17.7,15.025 18.7,18
  region net +3V3: 14.85,82.325 14.85,79.35 16.05,79.35 16.05,82.325
  region net GND: 25.7,45.55 25.7,46.841 25.895,47.036 26.364,47.036 26.53,46.87 26.53,45.572 27.263,45.572 27.568,45.267 27.568,44.61 27.56,44.61 27.425,44.475 26.018,44.475
  region net GND: 22.85,62.5 22.841,62.509 21.891,62.509 21.65,62.75 21.65,63.875 21.8,64.025 22.875,64.025 23.025,63.875 23.025,62.6
  region net +3V3: 31.3,61.975 33.475,61.975 33.575,62.075 33.575,63.25 33.425,63.4 33.125,63.4 32.975,63.55 32.975,69.073 32.123,69.073 31.175,68.125 31.175,62.1
  region net +3V3: 36.625,71.9 36.625,68.825 37.625,68.825 37.625,71.9
  region net VBUS: 21.175,44.825 23.175,44.825 23.25,44.75 23.275,44.725 23.275,43.6 23.2,43.525 21.2,43.525 20.96,43.765 20.96,44.61
  region net VBOI: 33.275,57.8 33.575,57.5 33.575,56.075 33.275,55.775 31.358,55.775 31.175,55.958 31.175,57.5 31.475,57.8
  region net VBO: 23.95,42.575 23.95,41.73 23.876,41.656 22.606,41.656 22.314,41.948 22.314,42.415 22.314,43.165 22.499,43.35 23.178,43.35 23.275,43.253 23.275,42.575
Bottom Layer:
  rectangle net GND: 14.525,10.25 17.25,11.1
  rectangle net +3V3: 14.468,11.35 17.625,15.075
  rectangle net GND: 21.575,62.225 22.876,64.15
  region net VBOI: 31.575,54.025 31.575,55.9 31.85,56.175 35.85,56.175 36.325,55.7 36.325,53.925 36.075,53.675 32.025,53.675

## Silkscreen, mask and mechanical layers (free items; w line width, h text height)
Top Overlay:
  drawing of 8 lines, arcs and shapes, not listed
  text "2221_LocalisationSousMarine" at 1.283,137.901 h1.52 r270
  text "Ali Zoubir" at 1.254,95.155 h1.52 r270
  text "I2C(1)" at 9.409,92.608 h1.52 r270
  text "UART(1)" at 37.084,91.44 h1.52 r270
  text "Conn. Prog." at 8.187,83.771 h1.52 r270
  text "UART(2)" at 0.979,36.351 h1.52 r270
  text "I2C(2)" at 11.65,27.218 h1.52
  text "SPI" at 7.874,24.384 h1.52
  text "5V" at 36.891,23.368 h1.52 r270
  text "3V3" at 36.891,19.685 h1.52 r270
  text "Press.sens." at 36.957,14.262 h1.2 r270
Top Dims:
  lines w0.254: 0.013,-2.286 0.013,-1.778 ; 1.537,-2.54 0.013,-2.032 ; 1.537,-1.524 0.013,-2.032 ; 13.763,-2.032 0.013,-2.032 ; 26.763,-2.032 40.513,-2.032 ; 38.989,-2.54 40.513,-2.032 ; 38.989,-1.524 40.513,-2.032 ; 40.513,-2.286 40.513,-1.778 ; 42.301,186.56 42.799,188.087 ; 42.545,188.085 43.053,188.089 ; 42.662,131.521 43.18,130 ; 42.672,1.524 43.18,0 ; 42.672,128.476 43.18,130 ; 42.926,0 43.434,0 ; 42.926,129.998 43.434,130.002 ; 42.926,130 43.434,130 ; 42.937,167.067 42.799,188.087 ; 43.042,151.02 43.18,130 ; 43.18,59.261 43.18,0 ; 43.18,70.739 43.18,130 ; 43.317,186.566 42.799,188.087 ; 43.678,131.527 43.18,130 ; 43.688,1.524 43.18,0 ; 43.688,128.476 43.18,130
  text "58.088 (mm)" at 42.024,166.807 h1.52 r270.38
  text "130 (mm)" at 44.094,59.515 h1.52 r90
  text "40.5 (mm)" at 14.017,-2.946 h1.52
Board Outline (ES):
  lines w0.254: 0,1.863 ccw(c1.85,1.863) 1.85,0.012 38.637,0 ccw(c38.637,1.851) 40.488,1.851 40.508,186.289 ccw(c38.659,186.289) 38.659,188.138 1.875,188.15 ccw(c1.875,186.299) 0.025,186.299 0,1.863

## Text inside footprints (layer, text, board x,y; h text height)
K4: Top Overlay "PS1" at 23.243,116.923 h1.52 r270; Top Overlay "PS0" at 20.745,116.923 h1.52 r270; Top Overlay "ADR" at 18.248,116.923 h1.52 r270; Top Overlay "INT" at 15.75,116.923 h1.52 r270; Top Overlay "RST" at 26.037,109.43 h1.52 r270; Top Overlay "SDA" at 23.472,109.43 h1.52 r270; Top Overlay "SCL" at 20.906,109.43 h1.52 r270; Top Overlay "GND" at 18.341,109.43 h1.52 r270; Top Overlay "3V" at 15.775,107.907 h1.52 r270; Top Overlay "Vin" at 13.21,109.177 h1.52 r270
MB4: Top Overlay "SDA" at 27.781,130.251 h2.54; Top Overlay "SDI" at 9.906,130.251 h2.54; Top Overlay "RX" at 27.935,135.331 h2.54; Top Overlay "MIKROE" at 14.875,147.025 h3.81; Top Overlay "SDO" at 9.74,132.791 h2.54; Top Overlay "AN" at 9.906,142.951 h2.54; Top Overlay "GND" at 27.599,125.171 h2.54; Top Overlay "SCL" at 27.899,132.791 h2.54; Top Overlay "3V3" at 9.714,127.711 h2.54; Top Overlay "SCK" at 9.745,135.331 h2.54; Top Overlay "RST" at 9.428,140.411 h2.54; Top Overlay "PWM" at 27.534,142.951 h2.54; Top Overlay "CS" at 9.906,137.871 h2.54; Top Overlay "GND" at 9.571,125.171 h2.54; Top Overlay "TX" at 27.935,137.871 h2.54; Top Overlay "5V" at 27.935,127.711 h2.54; Top Overlay "INT" at 27.935,140.411 h2.54; Bottom Overlay "CS" at 13.462,137.871 h2.79; Bottom Overlay "TX" at 30.108,137.871 h2.79; Bottom Overlay "PWM" at 30.226,142.951 h2.79; Bottom Overlay "5V" at 30.108,127.711 h2.79; Bottom Overlay "SDO" at 13.462,132.791 h2.79; Bottom Overlay "RST" at 13.94,140.411 h2.79; Bottom Overlay "RX" at 30.108,135.331 h2.79; Bottom Overlay "SCK" at 13.462,135.331 h2.79; Bottom Overlay "GND" at 30.443,125.171 h2.79; Bottom Overlay "SCL" at 30.108,132.791 h2.79; Bottom Overlay "SDA" at 30.108,130.251 h2.79; Bottom Overlay "3V3" at 13.654,127.711 h2.79; Bottom Overlay "SDI" at 13.462,130.251 h2.79; Bottom Overlay "GND" at 13.797,125.171 h2.79; Bottom Overlay "AN" at 13.462,142.951 h2.79; Bottom Overlay "INT" at 30.108,140.411 h2.79
X2: Top 3D Body "PCB EDGE" at 15.74,0.675 h0.41